# Altium PCB LC BigOne.PcbDoc (part 1 of 3)
Units mm, origin at the board's own origin, x right, y up, seen from the top; angles counter-clockwise.
Board outline 218 x 105 mm, 2 copper layers (Top Layer, Bottom Layer); 239 components, 249 nets, 1148 pads, 92 vias.
Unrouted connection lines stored in the file: 2.
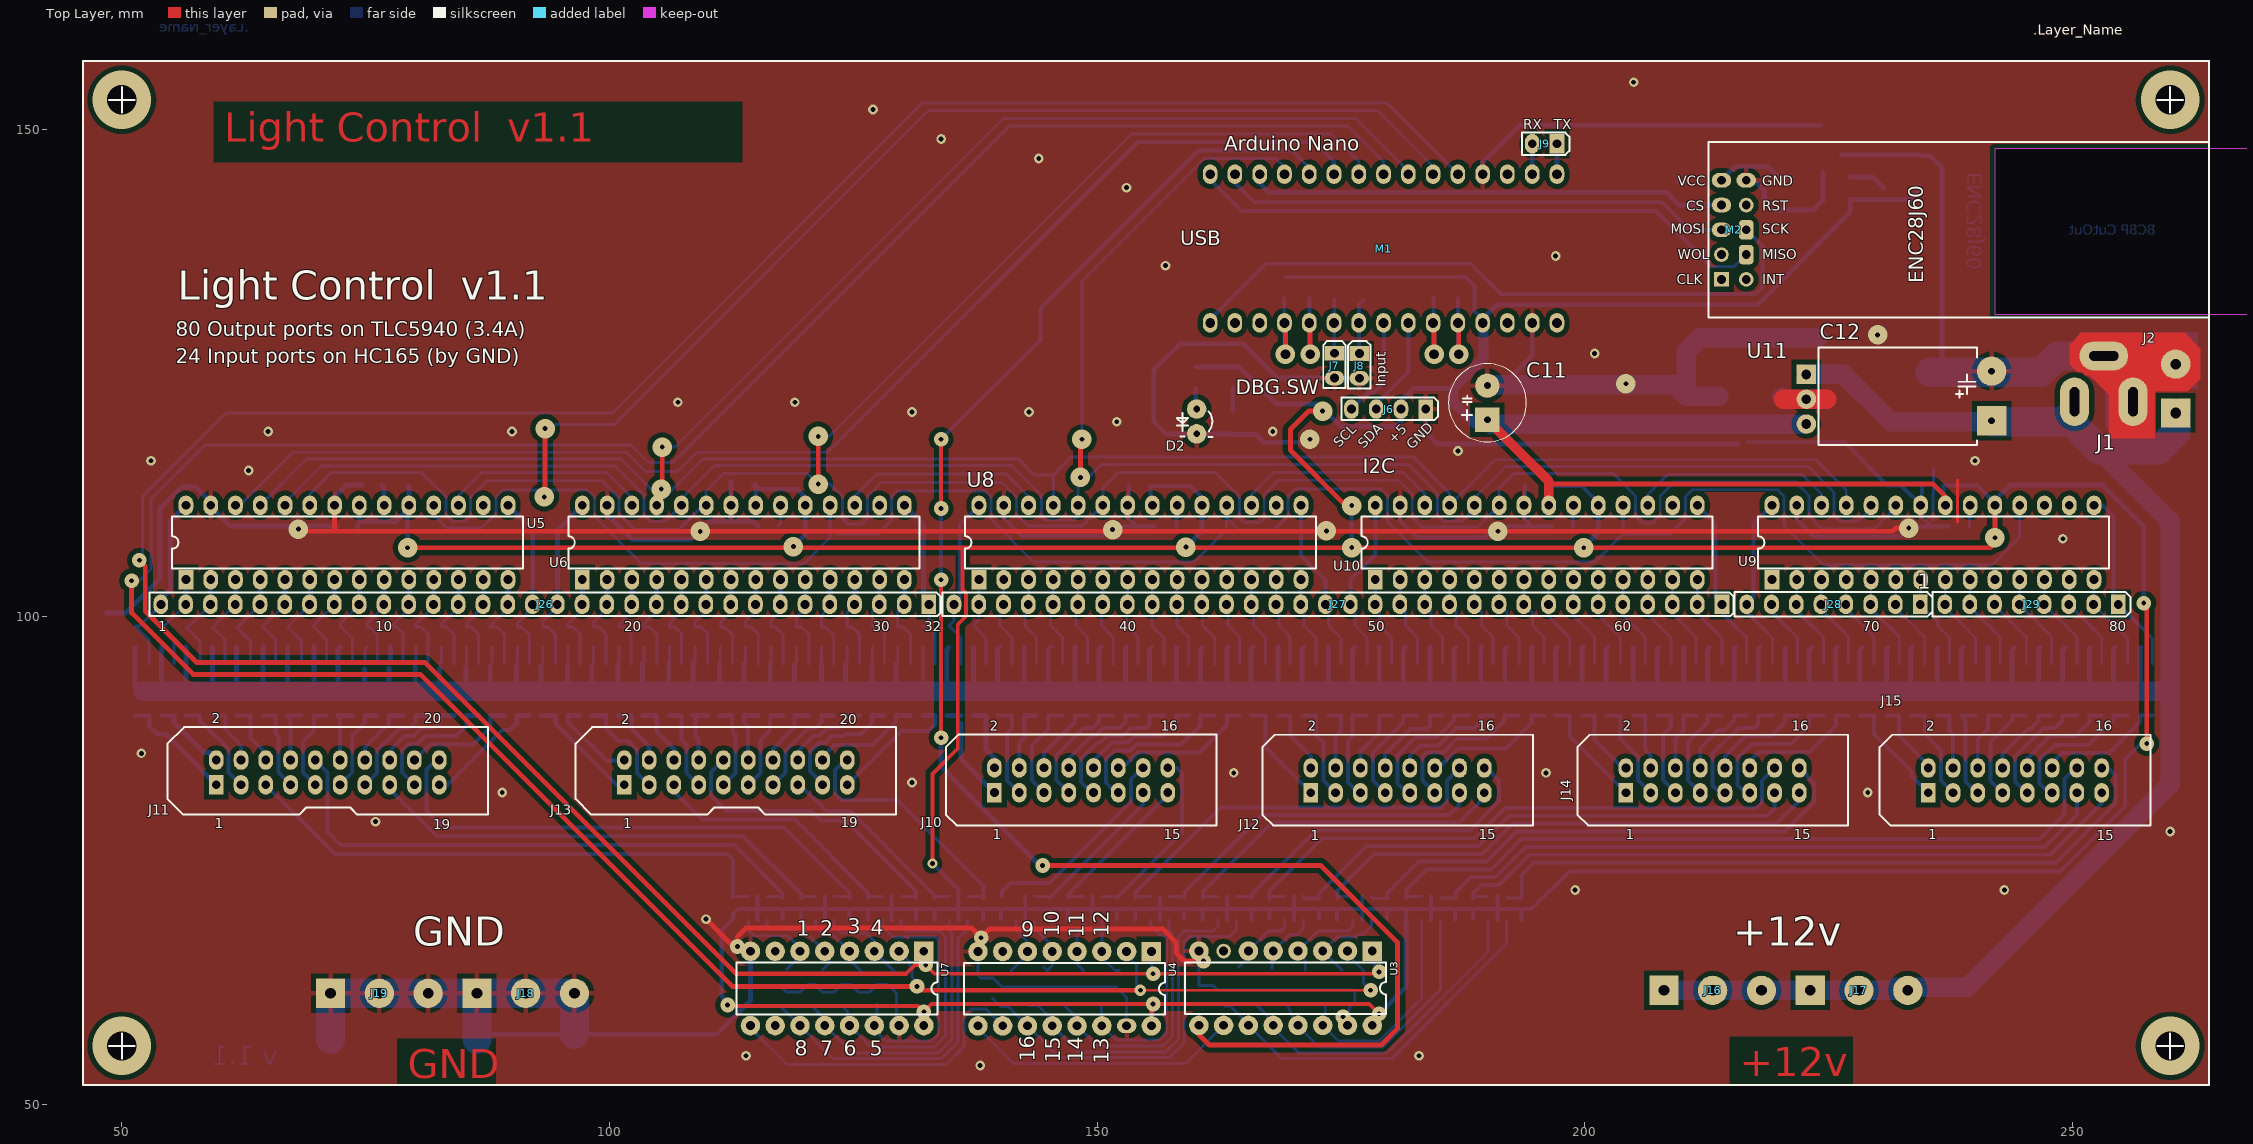
[diagram p0: Top Layer view]
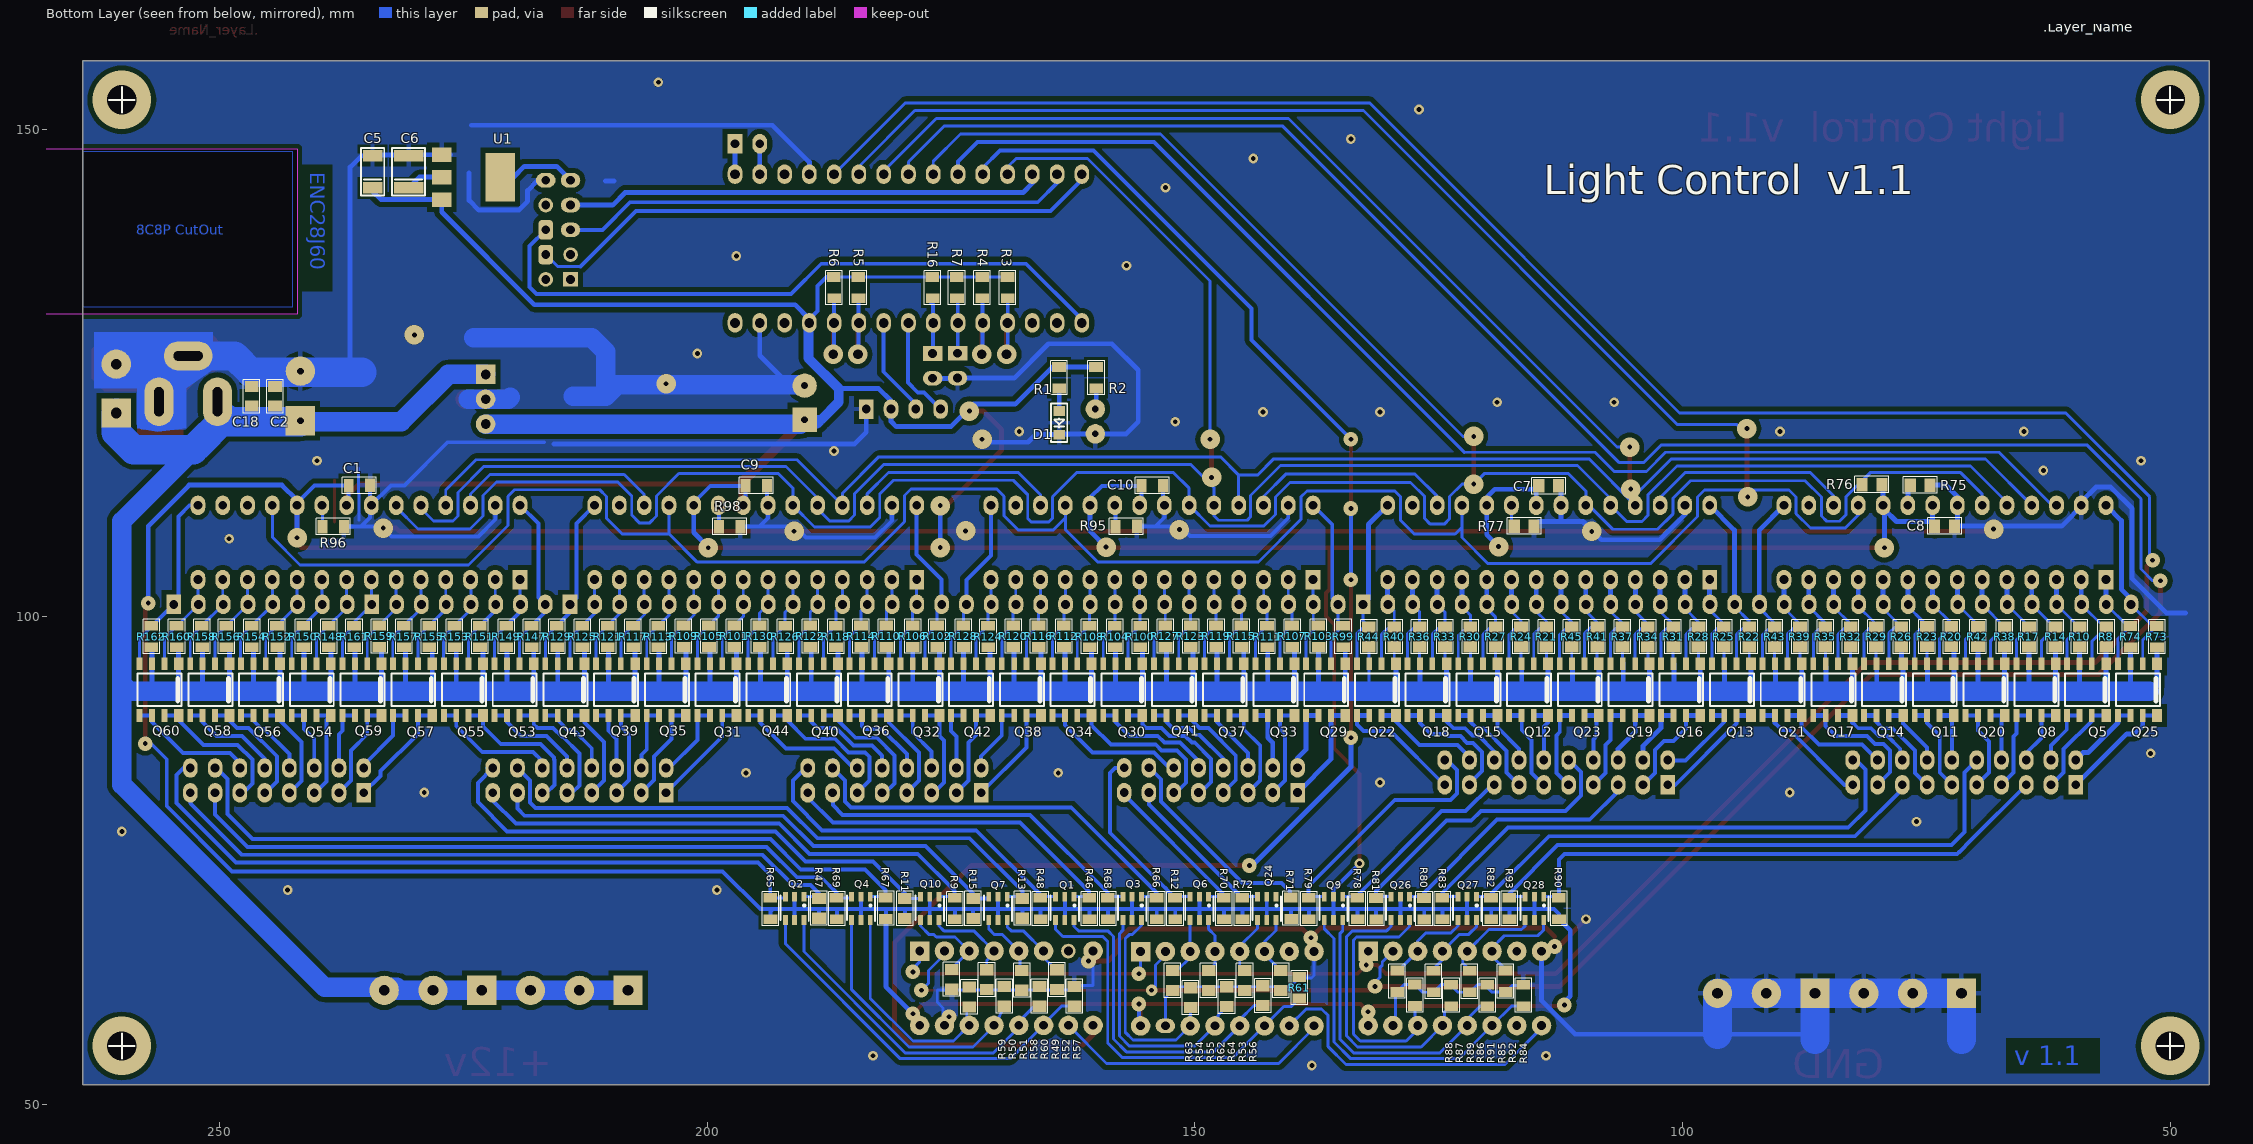
[diagram p1: Bottom Layer view, seen from below]

## Layer stack, top to bottom
Top Solder: solder mask 0.0102, Solder Resist, Dk 3.5
Top Layer: signal copper 0.0356
Dielectric 1: dielectric 0.32, FR-4, Dk 4.8
Bottom Layer: signal copper 0.0356
Bottom Solder: solder mask 0.0102, Solder Resist, Dk 3.5

## Board outline
46,52 264,52 264,157 46,157
cut-out: 242,148 242,131 268,131 268,148

## Design rules (kind name [scope] priority, off if disabled: settings)
Clearance Clearance_1 [InPolygon] p1: gap=0.5 ignorepadtopadclearanceinfootprint=FALSE
Clearance [All] p2: gap=0.3 ignorepadtopadclearanceinfootprint=FALSE except(0: Arc-Hole Track-Hole SMDPad-Hole THPad-Hole Via-Hole Fill-Hole Poly-Hole Region-Hole Text-Hole)
ComponentClearance J26-28 [InComponent('J26', 'J27', 'J28', 'J29', 'J16', 'J17', 'J18', 'J19') vs InComponent('J26', 'J27', 'J28', 'J29', 'J16', 'J17', 'J18', 'J19')] p1: gap=0 collisioncheckmode=3 verticalgap=0 showdistances=FALSE
ComponentClearance [All] p2: gap=0.01 collisioncheckmode=3 verticalgap=0.2 showdistances=FALSE
Height [All] p1: minheight=0 maxheight=25 prefheight=12.7
HoleSize [All] p1: absolutevalues=TRUE maxlimit=3.2 minlimit=0.4 maxpercent=80.000 minpercent=20.000
HoleToHoleClearance [All] p1: gap=0.2 allowstackedmicrovias=TRUE
PlaneClearance [All] p1: clearance=0.5
PlaneConnect [All] p1: planeconnectstyle=Relief reliefexpansion=0.508 reliefentries=4 reliefconductorwidth=0.5 reliefairgap=0.5
PolygonConnect [All] p1: thpad.connectstyle=Relief thpad.reliefconductorwidth=0.5 thpad.reliefentries=4 thpad.polygonreliefangle="90 Angle" thpad.airgapwidth=0.5 smdpad.connectstyle=Relief smdpad.reliefconductorwidth=0.5 smdpad.reliefentries=4 smdpad.polygonreliefangle="90 Angle" smdpad.airgapwidth=0.5 via.connectstyle=Relief via.reliefconductorwidth=0.5 via.reliefentries=4 via.polygonreliefangle="90 Angle" via.airgapwidth=0
RoutingVias [All] p1: holewidth=0.7 width=1.5 viastyle="Through Hole" minholewidth=0.4 minwidth=0.4 maxholewidth=3.2 maxwidth=7
SilkToSilkClearance [All] p1: silktosilkclearance=0.05
SilkToSolderMaskClearance [IsPad] p1: minsilkscreentomaskgap=0.2 clearancetoexposedcopper=TRUE
SolderMaskExpansion [All] p1: expansion=0.1
Width [All] p1: maxlimit=3 minlimit=0.2 preferedwidth=0.5
22 further rules are at their usual default settings.

## Classes and differential pairs
component class "LC BigOne - Comm Connectors": J10 J11 J12 J13 J14 J15 J18 J19
component class "LC BigOne - TLC5940 driver": C1 C7 C8 C9 C10 J26 J27 J28 J29 Q25 R73 R74 R75 R76 R77 R95 R96 R98 U5 U6 U8 U9 U10
component class "LC BigOne - MainBlock": C2 C5 C6 C11 C12 C18 D1 D2 J1 J2 J6 J7 J8 J9 M1 M2 R1 R2 R3 R4 R5 R6 R7 R16 U1 U11
component class "LC BigOne - 165 SerialIn Register (v2)": Q1 Q2 Q3 Q4 Q6 Q7 Q9 Q10 Q24 Q26 Q27 Q28 R9 R11 R12 R13 R15 R46 R47 R48 R49 R50 R51 R52 R53 R54 R55 R56 R57 R58 R59 R60 R61 R62 R63 R64 R65 R66 R67 R68 R69 R70 R71 R72 R78 R79 R80 R81 R82 R83 R84 R85 R86 R87 R88 R89 R90 R91 R92 R93 U3 U4 U7
component class "LC BigOne - 5.3A MOSFET for TLC5940": Q5 Q8 Q11 Q12 Q13 Q14 Q15 Q16 Q17 Q18 Q19 Q20 Q21 Q22 Q23 R8 R10 R14 R17 R20 R21 R22 R23 R24 R25 R26 R27 R28 R29 R30 R31 R32 R33 R34 R35 R36 R37 R38 R39 R40 R41 R42 R43 R44 R45
component class "LC BigOne - 5.3A MOSFET for TLC5940 2": Q29 Q30 Q31 Q32 Q33 Q34 Q35 Q36 Q37 Q38 Q39 Q40 Q41 Q42 Q43 Q44 R99 R100 R101 R102 R103 R104 R105 R106 R107 R108 R109 R110 R111 R112 R113 R114 R115 R116 R117 R118 R119 R120 R121 R122 R123 R124 R125 R126 R127 R128 R129 R130
component class "LC BigOne - 5.3A MOSFET for TLC5940 3": Q53 Q54 Q55 Q56 Q57 Q58 Q59 Q60 R147 R148 R149 R150 R151 R152 R153 R154 R155 R156 R157 R158 R159 R160 R161 R162

## Components (designator, comment, footprint, x,y, rotation, side; value= is the part's Value field where it differs from the comment)
C1 "0.1uF" "SMD 0805 (2012)"#1 236.675,113.45 r180 bottom
C2 "0.1uF" "SMD 0805 (2012)"#2 244.3,121.6 r90 bottom
C5 "10uF" "SMD 1206 Tantal (3216)" 234.3,143.975 r90 bottom
C6 "22uF" "SMD 3528 Tantal (1210)" 230.6,143.975 r90 bottom
C7 "0.1uF" "SMD 0805 (2012)"#3 114.741,113.4 r180 bottom
C8 "0.1uF" "SMD 0805 (2012)"#3 74.15,109.275 r180 bottom
C9 "0.1uF" "SMD 0805 (2012)"#1 195.975,113.425 r180 bottom
C10 "0.1uF" "SMD 0805 (2012)"#1 155.375,113.425 r180 bottom
C11 "330uF 16V" "Cap E p3.5mm D8xH12" 190,120.2 r90 top
C12 "2200mF 25V" "Cap E p5.08mm D10.2mm (3p) R" 241.7,120.1 r90 top
C18 "0.01uF" "SMD 0805 (2012)"#2 246.7,121.6 r90 bottom
D1 "Green" "LED SMD 0805 Green" 163.9,121.1 r270 bottom
D2 "FYL-3014GD" "LED Round 3mm Green" 160.2,121.3 r270 top
J1 "Connector" "DC Connector" 250.2,122.05 r0 top
J2 "Connector" "DG301 5mm 2p" 260.575,120.9 r90 top
J6 "I2C" "Line 2.54 X 4" 183.68,121.3 r270 top
J7 "ON/OFF Display and serial" "Line 2.54 x 2" 174.325,127.015 r0 top
J8 "Int0" "Line 2.54 x 2" 176.875,126.99 r0 top
J9 "RX-TX" "Line 2.54 x 2" 197.14,148.5 r270 top
J10 "Connector" "LINE 2.54 x 16D (2 x 8) BH" 139.46,81.975 r90 top
J11 "Connector" "LINE 2.54 x 20D (2 x 10) - BH" 59.675,82.775 r90 top
J12 "Connector" "LINE 2.54 x 16D (2 x 8) BH" 171.9,81.96 r90 top
J13 "Connector" "LINE 2.54 x 20D (2 x 10) - BH" 101.515,82.775 r90 top
J14 "Connector" "LINE 2.54 x 16D (2 x 8) BH" 204.2,81.96 r90 top
J15 "Connector" "LINE 2.54 x 16D (2 x 8) BH" 235.2,81.96 r90 top
J16 "Connector" "DG301 5mm 3p" 208.1,61.7 r0 top
J17 "Connector" "DG301 5mm 3p" 223.1,61.7 r0 top
J18 "Connector" "DG301 5mm 3p" 86.4,61.4 r0 top
J19 "Connector" "DG301 5mm 3p" 71.4,61.4 r0 top
J26 "Test Connector" "LINE 2.54 x 32" 132.74,101.275 r270 top
J27 "Test Connector" "LINE 2.54 x 32" 214.05,101.275 r270 top
J28 "Test Connector" "Line 2.54 x 8" 234.37,101.275 r270 top
J29 "Test Connector" "Line 2.54 x 8" 254.69,101.275 r270 top
M1 "Arduino Nano" "Arduino Nano" 161.575,145.375 r0 top
M2 "ENC28J60" "ENC28J60 MiNi" 214,139.675 r0 top
Q1 "IRF5850" TSOP-6 162.375,71.309 r270 bottom
Q2 "IRF5850" TSOP-6 190.075,71.309 r270 bottom
Q3 "IRF5850" TSOP-6 155.475,71.309 r270 bottom
Q4 "IRF5850" TSOP-6 183.275,71.309 r270 bottom
Q5 "IRF7314" SO8 56.76,95.175 r270 bottom
Q6 "IRF5850" TSOP-6 148.575,71.309 r270 bottom
Q7 "IRF5850" TSOP-6 169.225,71.309 r270 bottom
Q8 "IRF7314" SO8 61.935,95.175 r270 bottom
Q9 "IRF5850" TSOP-6 134.825,71.309 r270 bottom
Q10 "IRF5850" TSOP-6 176.225,71.309 r270 bottom
Q11 "IRF7314" SO8 72.375,95.175 r270 bottom
Q12 "IRF7314" SO8 113.975,95.175 r270 bottom
Q13 "IRF7314" SO8 93.175,95.175 r270 bottom
Q14 "IRF7314" SO8 77.575,95.175 r270 bottom
Q15 "IRF7314" SO8 119.175,95.175 r270 bottom
Q16 "IRF7314" SO8 98.375,95.175 r270 bottom
Q17 "IRF7314" SO8 82.775,95.175 r270 bottom
Q18 "IRF7314" SO8 124.375,95.175 r270 bottom
Q19 "IRF7314" SO8 103.575,95.175 r270 bottom
Q20 "IRF7314" SO8 67.165,95.175 r270 bottom
Q21 "IRF7314" SO8 87.975,95.175 r270 bottom
Q22 "IRF7314" SO8 129.575,95.175 r270 bottom
Q23 "IRF7314" SO8 108.775,95.175 r270 bottom
Q24 "IRF5850" TSOP-6 141.675,71.309 r270 bottom
Q25 "IRF7314" SO8 51.54,95.175 r270 bottom
Q26 "IRF5850" TSOP-6 127.975,71.309 r270 bottom
Q27 "IRF5850" TSOP-6 121.125,71.309 r270 bottom
Q28 "IRF5850" TSOP-6 114.225,71.309 r270 bottom
Q29 "IRF7314" SO8 134.775,95.175 r270 bottom
Q30 "IRF7314" SO8 155.575,95.175 r270 bottom
Q31 "IRF7314" SO8 197.175,95.175 r270 bottom
Q32 "IRF7314" SO8 176.375,95.175 r270 bottom
Q33 "IRF7314" SO8 139.975,95.175 r270 bottom
Q34 "IRF7314" SO8 160.775,95.175 r270 bottom
Q35 "IRF7314" SO8 202.375,95.175 r270 bottom
Q36 "IRF7314" SO8 181.575,95.175 r270 bottom
Q37 "IRF7314" SO8 145.175,95.175 r270 bottom
Q38 "IRF7314" SO8 165.975,95.175 r270 bottom
Q39 "IRF7314" SO8 207.575,95.175 r270 bottom
Q40 "IRF7314" SO8 186.775,95.175 r270 bottom
Q41 "IRF7314" SO8 150.375,95.175 r270 bottom
Q42 "IRF7314" SO8 171.175,95.175 r270 bottom
Q43 "IRF7314" SO8 212.775,95.175 r270 bottom
Q44 "IRF7314" SO8 191.975,95.175 r270 bottom
Q53 "IRF7314" SO8 217.975,95.175 r270 bottom
Q54 "IRF7314" SO8 238.775,95.175 r270 bottom
Q55 "IRF7314" SO8 223.175,95.175 r270 bottom
Q56 "IRF7314" SO8 243.975,95.175 r270 bottom
Q57 "IRF7314" SO8 228.375,95.175 r270 bottom
Q58 "IRF7314" SO8 249.175,95.175 r270 bottom
Q59 "IRF7314" SO8 233.575,95.175 r270 bottom
Q60 "IRF7314" SO8 254.375,95.175 r270 bottom
R1 "4.7k Om" "SMD 0805 (2012)"#1 163.925,125.525 r270 bottom
R2 "4.7k Om" "SMD 0805 (2012)"#1 160.125,125.525 r270 bottom
R3 "10kOm" "SMD 0805 (2012)"#1 169.175,132.725 r90 bottom
R4 "10kOm" "SMD 0805 (2012)"#1 171.775,132.725 r90 bottom
R5 "10kOm" "SMD 0805 (2012)"#1 184.475,132.725 r90 bottom
R6 "10kOm" "SMD 0805 (2012)"#1 186.975,132.725 r90 bottom
R7 "10kOm" "SMD 0805 (2012)"#1 174.375,132.725 r90 bottom
R8 "10 kOm" "SMD 0805 (2012)"#3 56.575,98.966 r270 bottom
R9 "10kOm" "SMD 0805 (2012)"#1 174.625,71.109 r270 bottom
R10 "10 kOm" "SMD 0805 (2012)"#3 59.3,98.966 r270 bottom
R11 "10kOm" "SMD 0805 (2012)"#3 179.75,71.118 r270 bottom
R12 "10kOm" "SMD 0805 (2012)"#1 152.025,71.109 r270 bottom
R13 "10kOm" "SMD 0805 (2012)"#3 167.7,71.134 r270 bottom
R14 "10 kOm" "SMD 0805 (2012)"#3 61.775,98.966 r270 bottom
R15 "10kOm" "SMD 0805 (2012)"#3 172.75,71.118 r270 bottom
R16 "10kOm" "SMD 0805 (2012)"#1 176.875,132.725 r90 bottom
R17 "10 kOm" "SMD 0805 (2012)"#3 64.5,98.966 r270 bottom
R20 "10 kOm" "SMD 0805 (2012)"#3 72.45,98.991 r270 bottom
R21 "10 kOm" "SMD 0805 (2012)"#3 113.975,98.975 r270 bottom
R22 "10 kOm" "SMD 0805 (2012)"#3 93.175,98.975 r270 bottom
R23 "10 kOm" "SMD 0805 (2012)"#3 74.95,98.991 r270 bottom
R24 "10 kOm" "SMD 0805 (2012)"#3 116.575,98.975 r270 bottom
R25 "10 kOm" "SMD 0805 (2012)"#3 95.775,98.975 r270 bottom
R26 "10 kOm" "SMD 0805 (2012)"#3 77.575,98.975 r270 bottom
R27 "10 kOm" "SMD 0805 (2012)"#3 119.175,98.975 r270 bottom
R28 "10 kOm" "SMD 0805 (2012)"#3 98.375,98.975 r270 bottom
R29 "10 kOm" "SMD 0805 (2012)"#3 80.175,98.975 r270 bottom
R30 "10 kOm" "SMD 0805 (2012)"#3 121.775,98.975 r270 bottom
R31 "10 kOm" "SMD 0805 (2012)"#3 100.975,98.975 r270 bottom
R32 "10 kOm" "SMD 0805 (2012)"#3 82.775,98.975 r270 bottom
R33 "10 kOm" "SMD 0805 (2012)"#3 124.375,98.975 r270 bottom
R34 "10 kOm" "SMD 0805 (2012)"#3 103.575,98.975 r270 bottom
R35 "10 kOm" "SMD 0805 (2012)"#3 85.375,98.975 r270 bottom
R36 "10 kOm" "SMD 0805 (2012)"#3 126.975,98.975 r270 bottom
R37 "10 kOm" "SMD 0805 (2012)"#3 106.175,98.975 r270 bottom
R38 "10 kOm" "SMD 0805 (2012)"#3 67,98.966 r270 bottom
R39 "10 kOm" "SMD 0805 (2012)"#3 87.975,98.975 r270 bottom
R40 "10 kOm" "SMD 0805 (2012)"#3 129.575,98.975 r270 bottom
R41 "10 kOm" "SMD 0805 (2012)"#3 108.775,98.975 r270 bottom
R42 "10 kOm" "SMD 0805 (2012)"#3 69.725,98.991 r270 bottom
R43 "10 kOm" "SMD 0805 (2012)"#3 90.575,98.975 r270 bottom
R44 "10 kOm" "SMD 0805 (2012)"#3 132.175,98.975 r270 bottom
R45 "10 kOm" "SMD 0805 (2012)"#3 111.375,98.975 r270 bottom
R46 "10kOm" "SMD 0805 (2012)"#1 160.825,71.109 r270 bottom
R47 "10kOm" "SMD 0805 (2012)"#3 188.55,71.134 r270 bottom
R48 "10kOm" "SMD 0805 (2012)"#1 165.825,71.109 r270 bottom
R49 "10kOm" "SMD 0805 (2012)"#3 165.95,62.118 r270 bottom
R50 "10kOm" "SMD 0805 (2012)"#3 173.15,62.05 r270 bottom
R51 "10kOm" "SMD 0805 (2012)"#3 171.3,61.768 r90 bottom
R52 "10kOm" "SMD 0805 (2012)"#3 164.1,61.768 r90 bottom
R53 "10kOm" "SMD 0805 (2012)"#3 143.05,62.184 r270 bottom
R54 "10kOm" "SMD 0805 (2012)"#3 150.45,61.984 r270 bottom
R55 "10kOm" "SMD 0805 (2012)"#3 148.55,61.684 r90 bottom
R56 "10kOm" "SMD 0805 (2012)"#3 141.15,61.684 r90 bottom
R57 "10kOm" "SMD 0805 (2012)"#3 162.35,62.118 r270 bottom
R58 "10kOm" "SMD 0805 (2012)"#3 169.55,62.118 r270 bottom
R59 "10kOm" "SMD 0805 (2012)"#3 174.9,61.8 r90 bottom
R60 "10kOm" "SMD 0805 (2012)"#3 167.7,61.7 r90 bottom
R61 "10kOm" "SMD 0805 (2012)"#1 139.3,63 r270 bottom
R62 "10kOm" "SMD 0805 (2012)"#3 146.75,62.084 r270 bottom
R63 "10kOm" "SMD 0805 (2012)"#3 152.25,61.684 r90 bottom
R64 "10kOm" "SMD 0805 (2012)"#3 144.85,61.684 r90 bottom
R65 "10kOm" "SMD 0805 (2012)"#1 193.525,71.109 r270 bottom
R66 "10kOm" "SMD 0805 (2012)"#1 153.925,71.109 r270 bottom
R67 "10kOm" "SMD 0805 (2012)"#1 181.7,71.134 r270 bottom
R68 "10kOm" "SMD 0805 (2012)"#1 158.925,71.109 r270 bottom
R69 "10kOm" "SMD 0805 (2012)"#1 186.725,71.109 r270 bottom
R70 "10kOm" "SMD 0805 (2012)"#1 147.025,71.109 r270 bottom
R71 "10kOm" "SMD 0805 (2012)"#1 140.15,71.134 r270 bottom
R72 "10kOm" "SMD 0805 (2012)"#1 145.125,71.109 r270 bottom
R73 "10 kOm" "SMD 0805 (2012)"#1 51.375,98.975 r270 bottom
R74 "10 kOm" "SMD 0805 (2012)"#1 54.075,98.975 r270 bottom
R75 "2.2 kOm" "SMD 0805 (2012)"#3 76.65,113.475 r180 bottom
R76 "10kOm" "SMD 0805 (2012)"#3 79.55,113.575 r0 bottom
R77 "2.2 kOm" "SMD 0805 (2012)"#3 117.25,109.275 r180 bottom
R78 "10kOm" "SMD 0805 (2012)"#1 133.325,71.109 r270 bottom
R79 "10kOm" "SMD 0805 (2012)"#1 138.325,71.109 r270 bottom
R80 "10kOm" "SMD 0805 (2012)"#1 126.5,71.1 r270 bottom
R81 "10kOm" "SMD 0805 (2012)"#1 131.425,71.1 r270 bottom
R82 "10kOm" "SMD 0805 (2012)"#1 119.625,71.109 r270 bottom
R83 "10kOm" "SMD 0805 (2012)"#1 124.625,71.109 r270 bottom
R84 "10kOm" "SMD 0805 (2012)"#1 116.325,62.209 r270 bottom
R85 "10kOm" "SMD 0805 (2012)"#1 120.025,62.209 r270 bottom
R86 "10kOm" "SMD 0805 (2012)"#1 123.725,62.209 r270 bottom
R87 "10kOm" "SMD 0805 (2012)"#1 127.45,62.234 r270 bottom
R88 "10kOm" "SMD 0805 (2012)"#1 129.225,61.609 r90 bottom
R89 "10kOm" "SMD 0805 (2012)"#1 125.5,61.584 r90 bottom
R90 "10kOm" "SMD 0805 (2012)"#1 112.675,71.125 r270 bottom
R91 "10kOm" "SMD 0805 (2012)"#1 121.8,61.584 r90 bottom
R92 "10kOm" "SMD 0805 (2012)"#1 118.125,61.609 r90 bottom
R93 "10kOm" "SMD 0805 (2012)"#1 117.75,71.125 r270 bottom
R95 "2.2 kOm" "SMD 0805 (2012)"#1 158.05,109.25 r180 bottom
R96 "2.2 kOm" "SMD 0805 (2012)"#1 239.35,109.225 r180 bottom
R98 "2.2 kOm" "SMD 0805 (2012)"#1 198.7,109.225 r180 bottom
R99 "10 kOm" "SMD 0805 (2012)"#1 134.8,99 r270 bottom
R100 "10 kOm" "SMD 0805 (2012)"#1 155.6,99 r270 bottom
R101 "10 kOm" "SMD 0805 (2012)"#1 197.225,99.025 r270 bottom
R102 "10 kOm" "SMD 0805 (2012)"#1 176.425,99.025 r270 bottom
R103 "10 kOm" "SMD 0805 (2012)"#1 137.325,99.025 r270 bottom
R104 "10 kOm" "SMD 0805 (2012)"#1 158.2,99 r270 bottom
R105 "10 kOm" "SMD 0805 (2012)"#1 199.825,99.025 r270 bottom
R106 "10 kOm" "SMD 0805 (2012)"#1 178.925,99.025 r270 bottom
R107 "10 kOm" "SMD 0805 (2012)"#1 140.025,99.025 r270 bottom
R108 "10 kOm" "SMD 0805 (2012)"#1 160.8,99 r270 bottom
R109 "10 kOm" "SMD 0805 (2012)"#1 202.425,99.025 r270 bottom
R110 "10 kOm" "SMD 0805 (2012)"#1 181.625,99.025 r270 bottom
R111 "10 kOm" "SMD 0805 (2012)"#1 142.6,99 r270 bottom
R112 "10 kOm" "SMD 0805 (2012)"#1 163.425,99.025 r270 bottom
R113 "10 kOm" "SMD 0805 (2012)"#1 205,99 r270 bottom
R114 "10 kOm" "SMD 0805 (2012)"#1 184.225,99.025 r270 bottom
R115 "10 kOm" "SMD 0805 (2012)"#1 145.225,99.025 r270 bottom
R116 "10 kOm" "SMD 0805 (2012)"#1 166.025,99.025 r270 bottom
R117 "10 kOm" "SMD 0805 (2012)"#1 207.6,99 r270 bottom
R118 "10 kOm" "SMD 0805 (2012)"#1 186.8,99 r270 bottom
R119 "10 kOm" "SMD 0805 (2012)"#1 147.825,99.025 r270 bottom
R120 "10 kOm" "SMD 0805 (2012)"#1 168.625,99.025 r270 bottom
R121 "10 kOm" "SMD 0805 (2012)"#1 210.2,99 r270 bottom
R122 "10 kOm" "SMD 0805 (2012)"#1 189.425,99.025 r270 bottom
R123 "10 kOm" "SMD 0805 (2012)"#1 150.425,99.025 r270 bottom
R124 "10 kOm" "SMD 0805 (2012)"#1 171.2,99 r270 bottom
R125 "10 kOm" "SMD 0805 (2012)"#1 212.8,99 r270 bottom
R126 "10 kOm" "SMD 0805 (2012)"#1 192,99 r270 bottom
R127 "10 kOm" "SMD 0805 (2012)"#1 153.025,99.025 r270 bottom
R128 "10 kOm" "SMD 0805 (2012)"#1 173.725,99.025 r270 bottom
R129 "10 kOm" "SMD 0805 (2012)"#1 215.4,99 r270 bottom
R130 "10 kOm" "SMD 0805 (2012)"#1 194.625,99.025 r270 bottom
R147 "10 kOm" "SMD 0805 (2012)"#1 218,99 r270 bottom
R148 "10 kOm" "SMD 0805 (2012)"#1 238.8,99 r270 bottom
R149 "10 kOm" "SMD 0805 (2012)"#1 220.6,99 r270 bottom
R150 "10 kOm" "SMD 0805 (2012)"#1 241.4,99 r270 bottom
R151 "10 kOm" "SMD 0805 (2012)"#1 223.3,99 r270 bottom
R152 "10 kOm" "SMD 0805 (2012)"#1 244.1,99 r270 bottom
R153 "10 kOm" "SMD 0805 (2012)"#1 225.9,99 r270 bottom
R154 "10 kOm" "SMD 0805 (2012)"#1 246.7,99 r270 bottom
R155 "10 kOm" "SMD 0805 (2012)"#1 228.5,99 r270 bottom
R156 "10 kOm" "SMD 0805 (2012)"#1 249.3,99 r270 bottom
R157 "10 kOm" "SMD 0805 (2012)"#1 231.1,99 r270 bottom
R158 "10 kOm" "SMD 0805 (2012)"#1 251.8,99 r270 bottom
R159 "10 kOm" "SMD 0805 (2012)"#1 233.625,99.025 r270 bottom
R160 "10 kOm" "SMD 0805 (2012)"#1 254.4,99 r270 bottom
R161 "10 kOm" "SMD 0805 (2012)"#1 236.2,99 r270 bottom
R162 "10 kOm" "SMD 0805 (2012)"#1 257,99 r270 bottom
U1 "AMS1117 1.5 / 1.8 / 2.5 / 2.85 / 3.3 / 5.0" "SOT-223-3 (AMS)" 220.2,145.075 r270 bottom
U3 "SN74HC165N" DIP-16#1 178.2,65.734 r180 top
U4 "SN74HC165N" DIP-16#2 155.55,65.684 r180 top
U5 "PWM Led Driver" "DIP-28 (OVAL)" 56.57,103.815 r0 top
U6 "PWM Led Driver" "DIP-28 (OVAL)" 97.21,103.815 r0 top
U7 "SN74HC165N" DIP-16#3 132.225,65.709 r180 top
U8 "PWM Led Driver" "DIP-28 (OVAL)" 137.875,103.815 r0 top
U9 "PWM Led Driver" "DIP-28 (OVAL)" 219.175,103.815 r0 top
U10 "PWM Led Driver" "DIP-28 (OVAL)" 178.51,103.815 r0 top
U11 "L7805LV 1.5A" "TO220 L" 222.702,124.846 r180 top

## Footprints (in the part's own frame and the unit in brackets; to place one, negate y for a bottom-side part, rotate by r counter-clockwise, add the part's x,y. Pads: shape width x height; smd on the part's side, far side on the other; paste and mask are expansions set on the pad)
"Arduino Nano" [mm]
  oval 1.5x2 hole 1: 3V3(2.54,-15.24) 5V(27.94,-15.24) A0(7.62,-15.24) A1(10.16,-15.24) A2(12.7,-15.24) A3(15.24,-15.24) A4(17.78,-15.24) A5(20.32,-15.24) A6(22.86,-15.24) A7(25.4,-15.24) AREF(5.08,-15.24) D2(25.4,0) D3(22.86,0) D4(20.32,0) D5(17.78,0) D6(15.24,0) D7(12.7,0) D8(10.16,0) D9(7.62,0) D10(5.08,0) D11(2.54,0) D12(0,0) D13(0,-15.24) GND(27.94,0) GND(33.02,-15.24) Reset(30.48,-15.24) Reset(30.48,0) RXD(33.02,0) TXD(35.56,0) VIN(35.56,-15.24)
  body extent -5.51,-16.53 39.41,1.27, height 21.18
"Cap E p3.5mm D8xH12" [mm] "D 8mm; H 12mm"
  rect 2.5x2.5 hole 0.7: 1(0,0)
  round 2.5 hole 0.7: 2(3.5,0)
  silkscreen extent -2.25,-4 5.75,4, body extent -2.22,-4 5.75,4, height 12.31
"Cap E p5.08mm D10.2mm (3p) R" [mm] "RIGHT - Len 16mm; D 10mm, Hole: 0.7mm"
  rect 3x3 hole 0.7: 1(0,0)
  round 3 hole 0.7: 2(5.08,0)
  silkscreen extent -2.5,1.5 7.5,17.75, body extent -2.53,-0.3 7.53,17.69, height 10.23
"DC Connector" [mm] "Ext Pin D: 5.5mm; Int Pin D: 2.5mm"
  oval 5x3 hole 1 slot 3 at 0 deg: GND(3,4.7)
  oval 3x5 hole 1 slot 3 at 90 deg: GND(6,0) VCC(0,0)
  body extent -0.2,-4.53 13.63,4.98, height 11
"DG301 5mm 2p" [mm]
  rect 3x3 hole 1.1: 1(0,0)
  round 3 hole 1.1: 2(5,0)
  body extent -3.1,-3.4 7.5,4.2, height 10
"DG301 5mm 3p" [mm]
  rect 3x3 hole 1.1: 1(0,0)
  round 3 hole 1.1: 2(5,0) 3(10,0)
  body extent -3.1,-3.4 12.5,4.2, height 10
DIP-16#1 [mm] "DIP; 16 Leads; Row Spacing 7.62 mm; Pitch 2.54 mm"
  rect 2x2 hole 0.9: 1(0,0)
  round 2 hole 0.9: 2(2.54,0) 3(5.08,0) 4(7.62,0) 5(10.16,0) 6(12.7,0) 8(17.78,0) 9(17.78,7.62) 10(15.24,7.62) 11(12.7,7.62) 12(10.16,7.62) 13(7.62,7.62) 14(5.08,7.62) 15(2.54,7.62) 16(0,7.62)
  round 1.5 hole 0.9: 7(15.24,0)
  silkscreen extent -1.41,1.16 19.19,6.46, body extent -1.87,-0.05 19.72,7.83, height 4.19
DIP-16#2 [mm] "DIP; 16 Leads; Row Spacing 7.62 mm; Pitch 2.54 mm"
  rect 2x2 hole 0.9: 1(0,0)
  round 2 hole 0.9: 2(2.54,0) 3(5.08,0) 4(7.62,0) 5(10.16,0) 6(12.7,0) 7(15.24,0) 8(17.78,0) 9(17.78,7.62) 10(15.24,7.62) 11(12.7,7.62) 12(10.16,7.62) 13(7.62,7.62) 14(5.08,7.62) 16(0,7.62)
  oval 2x1.5 hole 0.9: 15(2.54,7.62)
  silkscreen extent -1.41,1.16 19.19,6.46, body extent -1.87,-0.05 19.72,7.83, height 4.19
DIP-16#3 [mm] "DIP; 16 Leads; Row Spacing 7.62 mm; Pitch 2.54 mm"
  rect 2x2 hole 0.9: 1(0,0)
  round 2 hole 0.9: 2(2.54,0) 3(5.08,0) 4(7.62,0) 5(10.16,0) 6(12.7,0) 7(15.24,0) 8(17.78,0) 9(17.78,7.62) 10(15.24,7.62) 11(12.7,7.62) 12(10.16,7.62) 13(7.62,7.62) 14(5.08,7.62) 15(2.54,7.62) 16(0,7.62)
  silkscreen extent -1.41,1.16 19.19,6.46, body extent -1.87,-0.05 19.72,7.83, height 4.19
"DIP-28 (OVAL)" [mm] "DIP; 28 Leads; Row Spacing 7.62 mm; Pitch 2.54 mm"
  rect 1.5x2 hole 0.9: 1(0,0)
  oval 1.5x2 hole 0.9: 2(2.54,0) 3(5.08,0) 4(7.62,0) 5(10.16,0) 6(12.7,0) 7(15.24,0) 8(17.78,0) 9(20.32,0) 10(22.86,0) 11(25.4,0) 12(27.94,0) 13(30.48,0) 14(33.02,0) 15(33.02,7.62) 16(30.48,7.62) 17(27.94,7.62) 18(25.4,7.62) 19(22.86,7.62) 20(20.32,7.62) 21(17.78,7.62) 22(15.24,7.62) 23(12.7,7.62) 24(10.16,7.62) 25(7.62,7.62) 26(5.08,7.62) 27(2.54,7.62) 28(0,7.62)
  silkscreen extent -1.41,1.16 34.55,6.46, body extent -1.45,-0.11 34.55,7.76, height 5.08
"ENC28J60 MiNi" [mm]
  rect 1.5x1.5 hole 0.9: CLK(0,-5.08)
  oval 2x1.5 hole 0.9: CS(0,2.54) GND(2.54,5.08) MOSI(0,0) VCC(0,5.08)
  round 1.5 hole 0.9: INT(2.54,-5.08) RESET(2.54,2.54) WOL(0,-2.54)
  rrect50% 1.5x2 hole 0.9: MISO(2.54,-2.54) SCK(2.54,0)
  silkscreen extent -1.35,-9 50,9, body extent -1.3,-9 50,9, height 14.1
"LED Round 3mm Green" [mm]
  round 2 hole 0.7: A(0,0) K(2.54,0)
  silkscreen extent 0.25,-2.03 2.88,1.63, body extent -0.39,-1.65 2.91,1.64, height 5.51
"LED SMD 0805 Green" [mm]
  rect 1x1.143 smd: A(0,0) K(2.425,0)
  silkscreen extent -0.75,-0.82 3.17,0.83, body extent 0.22,-0.62 2.24,0.63, height 1.1
"Line 2.54 x 2" [mm]
  rect 2x1.5 hole 0.9: 1(0,0)
  oval 2x1.5 hole 0.9: 2(0,-2.54)
  silkscreen extent -1.15,-3.57 1.15,1.28, body extent -1.25,-3.69 1.25,1.39, height 8.3
"Line 2.54 X 4" [mm]
  rect 2x1.5 hole 0.9: 1(0,0)
  oval 2x1.5 hole 0.9: 2(0,-2.54) 3(0,-5.08) 4(0,-7.62)
  silkscreen extent -1.17,-8.62 1.12,1.27, body extent -1.25,-8.78 1.25,1.38, height 8.2
"Line 2.54 x 8" [mm]
  rect 2x1.5 hole 0.9: 1(0,0)
  oval 2x1.5 hole 0.9: 2(0,-2.54) 3(0,-5.08) 4(0,-7.62) 5(0,-10.16) 6(0,-12.7) 7(0,-15.24) 8(0,-17.78)
  silkscreen extent -1.25,-19.05 1.25,1.25, body extent -1.25,-18.91 1.25,1.41, height 8.4
"LINE 2.54 x 16D (2 x 8) BH" [mm]
  rect 2x1.5 hole 0.9: 1(0,0)
  oval 2x1.5 hole 0.9: 2(2.54,0) 3(0,-2.54) 4(2.54,-2.54) 5(0,-5.08) 6(2.54,-5.08) 7(0,-7.62) 8(2.54,-7.62) 9(0,-10.16) 10(2.54,-10.16) 11(0,-12.7) 12(2.54,-12.7) 13(0,-15.24) 14(2.54,-15.24) 15(0,-17.78) 16(2.54,-17.78)
  silkscreen extent -3.35,-22.77 5.95,4.97, body extent -3.45,-22.87 6.05,5.07, height 9
"LINE 2.54 x 20D (2 x 10) - BH" [mm]
  rect 2x1.5 hole 0.9: 1(0,0)
  oval 2x1.5 hole 0.9: 2(2.54,0) 3(0,-2.54) 4(2.54,-2.54) 5(0,-5.08) 6(2.54,-5.08) 7(0,-7.62) 8(2.54,-7.62) 9(0,-10.16) 10(2.54,-10.16) 11(0,-12.7) 12(2.54,-12.7) 13(0,-15.24) 14(2.54,-15.24) 15(0,-17.78) 16(2.54,-17.78) 17(0,-20.32) 18(2.54,-20.32) 19(0,-22.86) 20(2.54,-22.86)
  silkscreen extent -3.05,-27.87 5.92,5, body extent -3.18,-27.95 6.02,5.1, height 8.84
"LINE 2.54 x 32" [mm]
  rect 2x1.5 hole 0.9: 1(0,0)
  oval 2x1.5 hole 0.9: 2(0,-2.54) 3(0,-5.08) 4(0,-7.62) 5(0,-10.16) 6(0,-12.7) 7(0,-15.24) 8(0,-17.78) 9(0,-20.32) 10(0,-22.86) 11(0,-25.4) 12(0,-27.94) 13(0,-30.48) 14(0,-33.02) 15(0,-35.56) 16(0,-38.1) 17(0,-40.64) 18(0,-43.18) 19(0,-45.72) 20(0,-48.26) 21(0,-50.8) 22(0,-53.34) 23(0,-55.88) 24(0,-58.42) 25(0,-60.96) 26(0,-63.5) 27(0,-66.04) 28(0,-68.58) 29(0,-71.12) 30(0,-73.66) 31(0,-76.2) 32(0,-78.74)
  silkscreen extent -1.2,-79.9 1.2,1.2, body extent -1.25,-79.91 1.25,1.38, height 8.2
"SMD 0805 (2012)"#1 [mm]
  rect 1x1.4 smd: 1(-0.075,0) 2(2.125,0.025)
  silkscreen extent -0.72,-0.82 2.78,0.87, body extent 0,-0.62 2,0.63, height 0.78
"SMD 0805 (2012)"#2 [mm]
  rect 1.143x1.397 smd: 1(0,0) 2(2,0)
  silkscreen extent -0.72,-0.85 2.73,0.85, body extent 0.03,-0.62 2.03,0.63, height 0.78
"SMD 0805 (2012)"#3 [mm]
  rect 1.143x1.397 smd: 1(0.009,0.025) 2(2.041,0.025)
  silkscreen extent -0.72,-0.82 2.78,0.87, body extent 0.03,-0.6 2.03,0.65, height 0.78
"SMD 1206 Tantal (3216)" [mm]
  rect 1.2x2 smd: GND(3.3,0) VCC(0,0)
  silkscreen extent -0.8,-1.2 4.1,1.2, body extent -0.05,-0.9 3.35,0.9, height 1.8
"SMD 3528 Tantal (1210)" [mm]
  rect 1.2x3 smd: GND(3.3,0) VCC(0,0)
  silkscreen extent -0.8,-1.7 4.1,1.7, body extent -0.2,-1.46 3.5,1.47, height 2.03
SO8 [mm]
  rect 1.3x1 smd: 1(0,0.2) 8(5.3,0.2)
  rect 1.3x0.6 smd: 2(0,-1.27) 3(0,-2.54) 4(0,-3.81) 5(5.3,-3.81) 6(5.3,-2.54) 7(5.3,-1.27)
  silkscreen extent 1,-4 4.3,0.5, body extent -0.32,-4.33 5.67,0.57, height 1.6
"SOT-223-3 (AMS)" [mm]
  rect 1.5x2 smd: 1(-2.3,-7) 2(0,-7) 3(2.3,-7)
  rect 5x3 smd: 2(0,-1)
  body extent -3.25,-7.37 3.25,-0.38, height 1.85
"TO220 L" [mm]
  rect 2x2 hole 1: 1(0,0)
  round 2 hole 1: 2(0,2.54) 3(0,5.08)
  body extent -0.2,-2.45 19.5,7.55, height 4.5
TSOP-6 [mm]
  rect 1x0.5 smd: 1(0,0) 2(0,-0.95) 3(0,-1.9) 4(2.4,-1.9) 5(2.4,-0.95) 6(2.4,0)
  silkscreen extent -0.1,-2.4 2.5,0.5, body extent -0.15,-2.45 2.55,0.55, height 1

## Part data
C1 C2 C7 C8 C9 C10 C18: library part "Cap SMD 0402-1812", "Capacitor"
C5 C6: library part "Cap Tantal", "Capacitor"
C11: library part "Cap E 330uF x 16V", "Capacitor"
C12: library part "Cap E 2200mF x 16V", "Capacitor"
D1: library part "Led SMD Green", "?2v ?20mA", Forward Voltage Min=?, Forward Voltage TYP=?2, Resistor for 5v VCC="330 Om", Color=Green, Forward Amp (mA)=?, Liminous Min (mcd)=?, Liminous Typ (mcd)=?, Wave len min/typ=?
D2: library part "Led Round 3mm Green", "2.1v 10mA, 15-30mCd", Color=Green, Forward Voltage Max=2.3, Forward Voltage TYP=2.1, Forward Amp (mA)=10, Liminous Typ (mcd)=15-30, Name=FYL-3014GD, Wave len min/typ=570nm
J1: library part "DC Connector (PJ-002B)", "DC Connector", Ext Pin Diameter=5.5mm, Int Pin Diameter=2.5
J2: library part DG301-5.0-2P12, "DG301 series"
J6: library part PLS-4, "Vert, Sgl line, Male"
J7 J8 J9: library part PLS-2, "Vert, Sgl line, Male"
J10 J12 J14 J15: library part "PLD-16 (2 x 8)", "Vert, Dbl line, Male"
J11 J13: library part "PLD-20 (2 x 10)", "Vert, Dbl line, Male"
J16 J17 J18 J19: library part DG301-5.0-3P12, "DG301 series"
J26 J27: library part PLS-32, "Vert, Sgl line, Male"
J28 J29: library part PLS-8, "Vert, Sgl line, Male"
Q1 Q2 Q3 Q4 Q6 Q7 Q9 Q10 Q24 Q26 Q27 Q28: "Dual P-Ch  20V - 0.135? - 2.2A", I d - Drain current (continuous) at TC = 25°C="2.2 A", I d - Drain current (continuous) at TC = 70°C="1.8 A", C ISS Входная емкость="320 pF", C OSS Выходная емкость="56 pF", Datasheet=http://tec.org.ru/_bd/4/490_IRF5850.pdf, Monufacturer=IOR, Name=IRF5850, RDS Сопротивление Сток-Исток="0.135 Om", url=http://tec.org.ru/board/irf5850/49-1-0-490, V DSS (v)="-20 V", VGS Макс напр на гейте="+-12 V", VGS Порог Открытия="-0.45...-1.2 V"
Q5 Q8 Q11 Q12 Q13 Q14 Q15 Q16 Q17 Q18 Q19 Q20 Q21 Q22 Q23 Q25 Q29 Q30 Q31 Q32 Q33 Q34 Q35 Q36 Q37 Q38 Q39 Q40 Q41 Q42 Q43 Q44 Q53 Q54 Q55 Q56 Q57 Q58 Q59 Q60: "Dual P-Ch  20V - 0.058? - 5.3A", I d - Drain current (continuous) at TC = 25°C="5.3 A", I d - Drain current (continuous) at TC = 100°C="4.3 A", C ISS Входная емкость="780 pF", C OSS Выходная емкость="470 pF", Datasheet=http://tec.org.ru/_bd/2/277_IRF7314-IR.pdf, Monufacturer=IOR, Name=IRF7314, RDS Сопротивление Сток-Исток="0.058 Om", url=http://tec.org.ru/board/49-1-0-277, V DSS (v)=20V, VGS Макс напр на гейте="+-12 V", VGS Порог Открытия="-0.7 V"
R1 R2 R3 R4 R5 R6 R7 R8 R9 R10 R11 R12 R13 R14 R15 R16 R17 R20 R21 R22 R23 R24 R25 R26 R27 R28 R29 R30 R31 R32 R33 R34 R35 R36 R37 R38 R39 R40 R41 R42 R43 R44 R45 R46 R47 R48 R49 R50 R51 R52 R53 R54 R55 R56 R57 R58 R59 R60 R61 R62 R63 R64 R65 R66 R67 R68 R69 R70 R71 R72 R73 R74 R75 R76 R77 R78 R79 R80 R81 R82 R83 R84 R85 R86 R87 R88 R89 R90 R91 R92 R93 R95 R96 R98 R99 R100 R101 R102 R103 R104 R105 R106 R107 R108 R109 R110 R111 R112 R113 R114 R115 R116 R117 R118 R119 R120 R121 R122 R123 R124 R125 R126 R127 R128 R129 R130 R147 R148 R149 R150 R151 R152 R153 R154 R155 R156 R157 R158 R159 R160 R161 R162: library part "Res All Types"
U1: library part AMS1117_FIX, "Voltage Regulator SOT-223-3", Capacitors="In: 10mF; Out: 22mF", Case=SOT-223, Max Voltage In (V)=15, Dropuot=1-1.3V, Dtatsheet=https://lib.chipdip.ru/029/DOC001029248.pdf, I output (A)=1, Name="AMS1117 1.5 / 1.8 / 2.5 / 2.85 / 3.3 / 5.0", t=-40...+125°C, V Out="1.5 / 1.8 / 2.5 / 2.85 / 3.3 / 5.0"
U3 U4 U7: "8-Bit Parallel-Load Shift Register", Code_JEDEC=MS-001-BB, ComponentLink1Description="Manufacturer Link", ComponentLink1URL=http://www.ti.com/, ComponentLink2Description=Datasheet, ComponentLink2URL=http://www-s.ti.com/sc/ds/sn74hc165.pdf, DatasheetVersion=May-1997, LatestRevisionDate=04-Mar-2005, LatestRevisionNote="Stylized 3D Model Added.", PackageDescription="DIP; 16 Leads; Row Spacing 7.62 mm; Pitch 2.54 mm", PackageReference=N016, PackageVersion=Oct-1995, Published=8-Jun-2000, Publisher="Altium Limited"
U5 U6 U8 U9 U10: library part TLC5940, "16-Channel LED Driver With DOT Correction and Grayscale PWM Control", Datasheet=http://www.ti.com/lit/ds/symlink/tlc5940.pdf
U11: library part KPEH, "Linear Voltage Regulator", Case=TO220, Name="Linear Voltage Regulator", t=0...+150°C, V Out=+-V
M2: ENC28J60 Chip Datasheet=http://lib.chipdip.ru/286/doc000286027.pdf

## Via types
v1: diameter 1, hole 0.5, Top Layer to Bottom Layer, 35 vias
v2: diameter 2, hole 0.5, Top Layer to Bottom Layer, 25 vias
v3: diameter 1.5, hole 0.5, Top Layer to Bottom Layer, 22 vias
v4: diameter 6, hole 3, Top Layer to Bottom Layer, 4 vias
v5: diameter 2, hole 1, Top Layer to Bottom Layer, 4 vias
v6: diameter 1, hole 0.5, Top Layer to Bottom Layer, tented top, 1 vias
v7: diameter 1.2, hole 0.5, Top Layer to Bottom Layer, 1 vias

## Nets (pads, with @x,y where several pads share a name; then routed paths per layer and width w, separated by ;. In a path a pad name is that pad's centre, name@x,y a point inside that pad or via, vN(x,y) a via of type N, cw(c..) or ccw(c..) an arc to the next point about the centre after c; other vN are vias at no path point)
165to165: U3.10 U4.9 | length 28.8
  Bottom Layer w0.3: U4.9@137.77,58.064 137.77,57.83 141.4,54.2 159.046,54.2 U3.10@162.96,58.114 U3.10@162.72,58.114
"165to165 2": U4.10 U7.9 | length 32.6
  Bottom Layer w0.3: U7.9@114.425,58.089 114.425,57.875 118.2,54.1 134.5,54.1 136.325,55.925 136.325,57.458 136.32,57.463 136.32,58.665 136.325,58.67 136.325,59.125 137,59.8 138.574,59.8 U4.10@140.31,58.064
+3.3v: C6.VCC M2.VCC U1.2 | length 12.1
  Bottom Layer w0.5: M2.VCC@214,144.755 215.42,146.175 218.75,146.175 219.85,145.075 U1.2@221.2,145.075 ; U1.2@227.2,145.075 229.5,145.075 C6.VCC@230.6,143.975
+5v: C1.1 C5.VCC C7.1 C8.1 C9.1 C10.1 C11.1 J6.2 M1.5V Q1.2 Q1.5 Q2.2 Q2.5 Q3.2 Q3.5 Q4.2 Q4.5 Q6.2 Q6.5 Q7.2 Q7.5 Q9.2 Q9.5 Q10.2 Q10.5 Q24.2 Q24.5 Q26.2 Q26.5 Q27.2 Q27.5 Q28.2 Q28.5 R1.1 R2.1 R3.2 R4.2 R5.2 R6.2 R7.2 R9.2 R11.2 R12.2 R13.2 R15.2 R16.2 R46.2 R47.2 R48.2 R65.2 R66.2 R67.2 R68.2 R69.2 R70.2 R71.2 R72.2 R76.1 R78.2 R79.2 R80.2 R81.2 R82.2 R83.2 R90.2 R93.2 U1.3 U3.16 U4.16 U5.19 U5.21 U6.19 U6.21 U7.16 U8.19 U8.21 U9.19 U9.21 U10.19 U10.21 U11.3 | length 841
  Top Layer w0.4: v3@112.1,60.1 131.634,60.1 v3(132.225,59.509) 133.025,60.309 177.891,60.309 v3(178.9,59.3) ; v1(133.1,74.7) 133.1,83.9 135.7,86.5 135.7,99.2 136.56,100.06 136.56,102.44 136.2,102.8 136.2,107.075 ; U4.16@155.55,58.064 v3@155.55,60.134
  Top Layer w0.5: v2(79.3,107.075) 136.2,107.075 v2(199.875,107.075) 241.575,107.075 v2@242.035,107.535 ; v2@173.1,120.6 v2(173.1,121.1) 171.7,121.1 169.8,119.2 169.8,117.1 175.5,111.4 v2(176.1,111.4) ; 193.1,117 193.2,117 ; 196.29,113.91 196.6,113.6 235.7,113.6 236.955,112.345 U9.21@236.955,111.435 ; v2(242.025,108.1) U9.19@242.025,111.425 ; v3(257.3,101.4) 257.6,101.1 v3(257.6,87)
  Top Layer w1: C11.1@190,120.2 193.2,117 196.29,113.91 U10.21@196.29,111.435
  Bottom Layer w0.3: U5.21@74.35,111.435 U5.21@74.35,111.675 ; U4.16@155.03,58.064 U4.16@155.55,58.064 ; R3.2@169.2,134.85 R4.2@171.8,134.85 R7.2@174.4,134.85 R16.2@176.9,134.85 R5.2@184.5,134.85 R6.2@187,134.85
  Bottom Layer w0.4: R90.2@112.65,69 112.65,69.525 113.15,70.025 115.175,70.025 ; Q28.5@115.175,68.909 115.175,70.025 ; Q28.2@115.175,71.309 115.175,70.025 ; R93.2@117.725,69 117.725,70.025 ; R82.2@119.6,68.984 119.6,70 119.625,70.025 ; Q27.5@122.075,68.909 122.075,70.025 ; Q27.2@122.075,71.309 122.075,70.025 ; R83.2@124.6,68.984 124.6,70 124.625,70.025 ; R80.2@126.475,68.975 126.475,70.025 ; Q26.5@128.925,68.909 128.925,70.025 ; Q26.2@128.925,71.309 128.925,70.025 ; R81.2@131.4,68.975 131.4,70 131.375,70.025 ; v1(133.1,74.7) 135.775,72.025 Q9.2@135.775,71.309 135.775,70.025 ; R78.2@133.3,68.984 133.3,70 133.275,70.025 ; Q9.5@135.775,68.909 135.775,70.025 ; R79.2@138.3,68.984 138.3,69.975 138.35,70.025 ; R71.2@140.125,69.009 140.125,70 140.15,70.025 ; Q24.5@142.625,68.909 142.625,70.025 ; Q24.2@142.625,71.309 142.625,70.025 ; R72.2@145.1,68.984 145.1,70.025 ; R70.2@147,68.984 147,70 147.025,70.025 ; Q6.5@149.525,68.909 149.525,70.025 ; Q6.2@149.525,71.309 149.525,70.025 ; R12.2@152,68.984 152,70 152.025,70.025 ; R66.2@153.9,68.984 153.9,70.025 ; U4.16@155.55,58.064 155.725,58.239 v3(155.725,60.309) ; U8.21@155.655,111.435 155.45,111.64 C10.1@155.45,113.425 159.525,113.425 160.735,112.215 U8.19@160.735,111.435 ; Q3.5@156.425,68.909 156.425,70.025 ; Q3.2@156.425,71.309 156.425,70.025 ; R68.2@158.9,68.984 158.9,70.025 ; R46.2@160.8,68.984 160.8,70.025 ; Q1.5@163.325,68.909 163.325,70.025 ; Q1.2@163.325,71.309 163.325,70.025 ; R48.2@165.8,68.984 165.8,70 165.825,70.025 ; R13.2@167.675,69.093 167.675,70 167.7,70.025 ; Q7.5@170.175,68.909 170.175,70.025 ; Q7.2@170.175,71.309 170.175,70.025 ; R15.2@172.725,69.077 172.725,69.95 172.8,70.025 ; R9.2@174.6,68.984 174.6,70 174.575,70.025 ; Q10.5@177.175,68.909 177.175,70.025 ; Q10.2@177.175,71.309 177.175,70.025 ; R11.2@179.725,69.077 179.725,70.025 ; R67.2@181.675,69.009 181.675,70.025 ; Q4.5@184.225,68.909 184.225,70.025 ; Q4.2@184.225,71.309 184.225,70.025 ; R69.2@186.7,68.984 186.7,70.025 ; R6.2@187,134.85 187.75,134.85 188.7,133.9 188.7,131.35 189.515,130.535 M1.5V@189.54,130.51 ; R47.2@188.525,69.093 188.525,70 188.55,70.025 ; Q2.5@191.025,68.909 191.025,70.025 ; Q2.2@191.025,71.309 191.025,70.025 ; R65.2@193.5,68.984 193.5,69.775 193.25,70.025 ; U10.21@196.29,111.435 196.05,111.675 C9.1@196.05,113.425 199.675,113.425 201.37,111.73 U10.19@201.37,111.435 ; U9.21@236.955,111.435 236.75,111.64 C1.1@236.75,113.45 240.25,113.45 242.035,111.665 U9.19@242.035,111.435 ; v3@257.5,87.533 v3@257.5,87.3 ; v3(257.6,87) 257.6,87.2 v3@257.5,87.3 ; 115.175,70.025 117.725,70.025 ; 117.725,70.025 119.625,70.025 ; 119.625,70.025 122.075,70.025 ; 122.075,70.025 124.625,70.025 ; 124.625,70.025 126.475,70.025 ; 126.475,70.025 128.925,70.025 ; 128.925,70.025 131.375,70.025 ; 131.375,70.025 133.275,70.025 ; 133.275,70.025 135.775,70.025 ; 135.775,70.025 138.35,70.025 ; 138.35,70.025 140.15,70.025 ; 140.15,70.025 142.625,70.025 ; 142.625,70.025 145.1,70.025 ; 145.1,70.025 147.025,70.025 ; 147.025,70.025 149.525,70.025 ; 149.525,70.025 152.025,70.025 ; 152.025,70.025 153.9,70.025 ; 153.9,70.025 156.425,70.025 ; 156.425,70.025 158.9,70.025 ; 158.9,70.025 160.8,70.025 ; 160.8,70.025 163.325,70.025 ; 163.325,70.025 165.825,70.025 ; 165.825,70.025 167.7,70.025 ; 167.7,70.025 170.175,70.025 ; 170.175,70.025 172.8,70.025 ; 172.8,70.025 174.575,70.025 ; 174.575,70.025 177.175,70.025 ; 177.175,70.025 179.725,70.025 ; 179.725,70.025 181.675,70.025 ; 181.675,70.025 184.225,70.025 ; 184.225,70.025 186.7,70.025 ; 186.7,70.025 188.55,70.025 ; 188.55,70.025 191.025,70.025 ; 191.025,70.025 193.25,70.025 ; 193.25,70.025 194.525,70.025 198.4,73.9 248.7,73.9 255.4,80.6 255.4,85.4 257.4,87.4 v3@257.5,87.3
  Bottom Layer w0.5: C8.1@74.141,108.766 C8.1@74.141,109.3 ; U5.21@74.35,111.435 74.35,109.775 78.05,109.775 U5.19@79.3,111.025 ; U5.21@74.35,111.675 U5.21@74.65,111.675 ; v2(79.3,107.075) U5.19@79.3,111.025 ; R76.1@79.43,113.375 U5.19@79.43,111.435 79.3,111.305 U5.19@79.3,111.025 ; v3@112.1,60.5 111.5,61.1 111.5,67.85 R90.2@112.65,69 ; C7.1@114.741,113.4 C7.1@114.99,113.4 ; U6.21@114.99,111.435 C7.1@114.99,113.4 ; C7.1@114.99,113.635 C7.1@114.99,113.4 ; v2(118.85,107.2) 120.07,108.42 U6.19@120.07,111.435 120.07,112.255 119.25,113.075 115.315,113.075 C7.1@114.99,113.4 ; v2(159.1,107.15) 160.735,108.785 U8.19@160.735,111.435 ; R2.1@160.125,125.6 R1.1@163.925,125.6 164.6,125.6 168.4,121.8 172.7,121.8 175,119.5 180.6,119.5 181.14,120.04 J6.2@181.14,121.3 ; v2(176.1,107.1) 176.1,111.2 v2@176.3,111.4 ; v3(178.9,59.3) 181.675,62.075 R67.2@181.675,69.009 ; J6.2@181.2,121.3 181.2,122.2 182.4,123.4 186.5,123.4 ; M1.5V@189.515,130.135 189.515,130.535 190.98,132 217.7,132 227.2,141.5 U1.3@227.2,142.775 233.425,142.775 234.3,143.65 C5.VCC@234.3,143.975 C5.VCC@234.3,144.075 ; v2(199.875,107.075) 199.875,107.15 201.37,108.645 U10.19@201.37,111.435 ; v2(242.025,108.1) 242.025,111.425 U9.19@242.035,111.435 ; U9.19@242.035,111.665 242.035,111.935 243.6,113.5 253.1,113.5 257.3,109.3 v3(257.3,101.4)
  Bottom Layer w1: J6.2@181.14,121.3 J6.2@181.2,121.3 ; 188.44,120.06 188.7,119.8 ; M1.5V@189.375,130.135 189.6,129.91 189.6,126.5 186.5,123.4 186.5,122 188.3,120.2 C11.1@190,120.2
  Bottom Layer w2: C11.1@190,120.2 190.434,119.766 U11.3@222.702,119.766
  other v3: 112.1,60.2